# Allegro board pc051b_toplevel_177.brd (continued)
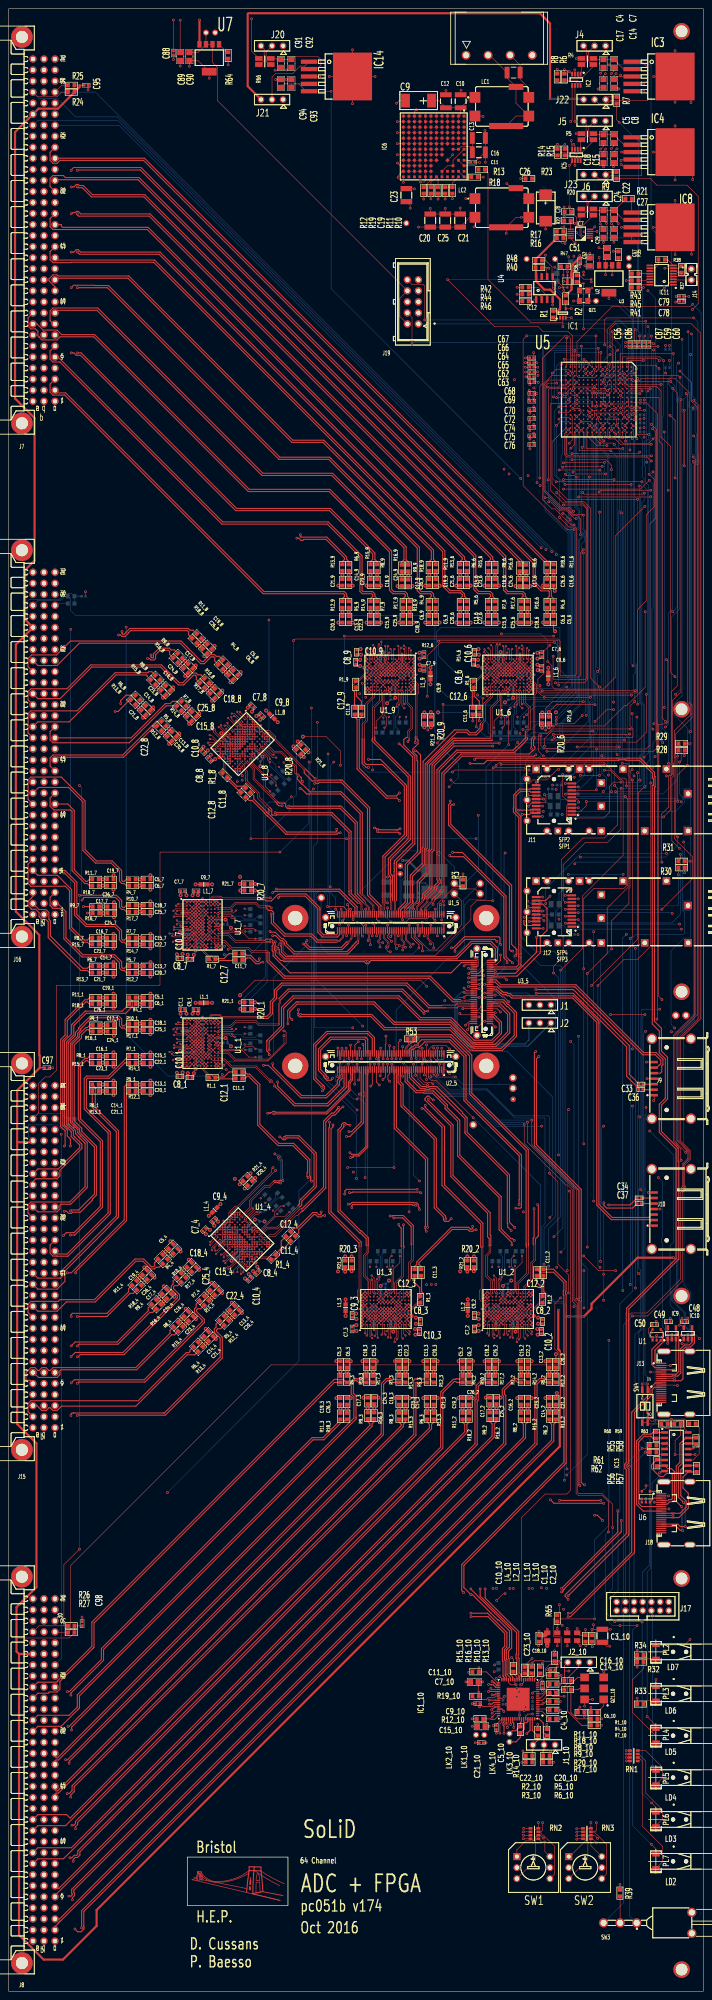
[diagram p0: board, top side]
## Routing (per net, layer and track width the routed paths; a pad name or vN(x,y) marks a point on that pad's centre or on a via; arc(x,y) is an arc through that point) (continued)
OUT_P<3>: length 70.3
  TOP w0.13: 119,289.95 119.8,290.75 119.8,295.26 118.62,296.44 118.62,296.83 118.6,296.85 U1_6.C10 ; U1_5.24 94.75,248.71 94.87,248.83 94.87,249.27 96.3,250.7 96.3,251.4 96.3,251.77 96.27,251.8 96.27,251.85
  TOP w0.25: 96.27,251.85 98.03,253.61 98.03,253.97 98.16,254.1 98.16,254.49 98.88,255.21 98.88,255.52 98.65,255.75 98.65,261.56 98.66,261.57 98.66,262.03 98.65,262.04 98.65,281.06 103.19,285.59 116.19,285.59 116.93,286.33 117.03,286.33 119,288.3 119,289.95
OUT_P<4>: length 69.1
  TOP w0.13: 95.14,251.42 95.14,251.33 95.2,251.27 95.2,250.86 94.34,250 94.3,250 93.87,249.57 93.87,248.83 93.75,248.71 U1_5.28 ; U1_6.J7 v2(113.4,301.35)
  TOP w0.25: 95.14,251.42 95.29,251.57 95.29,251.74 95.35,251.8 95.35,252.39 96.78,253.82 96.78,253.88 96.78,253.96 96.99,254.18 96.99,262.34 97.5,262.84 97.5,282.16 102.39,287.05 102.39,287.09 102.5,287.2 v1(113,287.2)
  L3 w0.13: v2(113.4,301.35) 113.84,300.9 113.84,300.37 113.58,300.11 113.49,300.11 112.78,299.39 112.78,287.95
  L3 w0.25: 112.78,287.95 112.78,287.42 v1(113,287.2)
OUT_P<5>: length 65.4
  TOP w0.13: 94.21,250.32 94.17,250.32 94.13,250.35 93.91,250.35 93.74,250.19 93.08,249.53 93.04,249.53 92.75,249.24 92.75,249.2 92.63,249.08 92.63,248.83 92.75,248.71 U1_5.32 ; 111.37,287.92 111.37,295.32 113,296.95 U1_6.K10
  TOP w0.25: 111.37,287.92 111.29,287.92 111.19,287.83 102.58,287.83 96.9,282.15 96.9,262.78 96.61,262.49 96.61,257.11 94.6,255.1 94.6,250.71 94.21,250.32
OUT_P<6>: length 74.4
  TOP w0.13: U1_5.35 91.75,243.19 91.63,243.07 91.63,242.04 92.71,240.96 v1(93.16,240.96) ; U1_6.L7 v2(112.6,301.35)
  L3 w0.13: v1(93.16,240.96) 92.71,240.96 91.92,241.75 91.92,242.42 93.4,243.9 93.4,247.3 94.5,248.4 94.5,249.4 94.56,249.46 94.56,249.49 ; 110.3,288.15 110.3,295.75 111.6,297.05 111.6,300.35 v2(112.6,301.35)
  L3 w0.25: 94.56,249.49 94.56,249.93 94.62,249.99 94.62,250.92 103.83,260.13 104.12,260.42 104.12,278.01 108.95,282.84 108.95,283 110.3,284.35 110.3,288.15
OUT_P<7>: length 65.2
  TOP w0.13: U1_5.38 91.25,248.84 91.22,248.87 91.22,249.28 91.37,249.43 ; U1_6.M8 111,300.55 111,297.95 109.4,296.35 109.4,292.45 108.7,291.75
  TOP w0.25: 108.7,291.75 108.7,291.53 108.58,291.41 108.58,290.69 107.5,289.6 106.24,289.6 105.59,290.25 102.7,290.25 95.45,283 95.45,263.28 95.24,263.07 95.24,259.54 92.65,256.95 92.65,256.91 92.5,256.76 92.5,250.56 91.37,249.43
OUT_P<8>: length 74.4
  TOP w0.13: U1_9.E8 v2(89.45,300.55) ; U1_5.41 90.25,243.19 90.37,243.07 90.37,241.93 91,241.3 91,241.02 90.61,240.62 90.61,240.22 90.77,240.06 v1(90.77,239.6)
  L3 w0.13: 94.37,288.65 94.37,294.49 91.27,297.59 91.27,298.33 90.31,299.29 90.31,299.69 v2(89.45,300.55) ; 92.5,251.39 93.16,250.73 93.16,250.63 92.24,249.71 92.24,246.71 91.14,245.61 91.14,242.11 90.57,241.53 90.57,240.26 90.77,240.06 v1(90.77,239.6)
  L3 w0.25: 92.5,251.39 88.71,255.18 88.71,259.47 88.96,259.72 88.96,260.18 88.71,260.43 88.71,278.82 94.6,284.71 94.6,287.49 94.31,287.78 94.31,288.59 94.37,288.65
OUT_P<9>: length 56.7
  TOP w0.13: U1_9.A8 93.24,300.95 93.26,300.98 93.37,300.98 93.38,300.98 93.63,300.98 94.05,300.56 94.05,298.85 93.67,298.47 93.67,288.65
  TOP w0.25: U1_5.42 90.25,248.84 91.85,250.44 91.85,259.14 94.7,261.99 94.7,262 94.85,262.15 94.85,284.5 93.9,285.45 v1(93.65,285.45) ; v1(93.65,287.35) 93.65,288.63 93.67,288.65
  L4 w0.25: v1(93.65,285.45) v1(93.65,287.35)
OUT_P<10>: length 71.5
  TOP w0.13: U1_9.D9 90.65,299.91 90.25,299.51 90.25,299.19 90.57,298.87 90.57,295.83 v2(91.15,295.25) ; v1(89.36,239.96) 89.13,240.19 89.13,240.67 88.94,240.86 88.94,243 88.75,243.19 U1_5.47
  L3 w0.13: 91.34,249.16 91.4,249.1 91.4,248.96 89.64,247.2 89.64,246.16 90.4,245.4 90.4,242.47 89.16,241.22 89.16,240.62 89.36,240.41 v1(89.36,239.96) ; v2(91.15,295.25) 91.41,295.25 92.65,294.01 92.65,287.15 91.85,286.35 91.7,286.2 91.7,285.79 91.7,285.79 91.7,285.36 91.67,285.33
  L3 w0.25: 91.67,285.33 87.99,281.65 87.7,281.36 87.7,260.74 87.34,260.39 87.34,259.51 87.7,259.16 87.7,256.74 87.81,256.63 87.81,256.17 87.7,256.06 87.7,254.95 90.65,252 90.65,249.85 90.94,249.56 91.34,249.16
OUT_P<11>: length 56
  TOP w0.13: U1_9.C10 91.45,296.85 91.47,296.83 91.47,296.44 92.65,295.26 92.65,290.75 91.85,289.95 91.85,288.5 ; U1_5.46 89.25,248.71 89.13,248.83 89.13,250.89 89.27,251.03 89.3,251.03 89.35,251.08
  TOP w0.25: 89.35,251.08 89.35,256.7 89.3,256.75 89.3,256.96 89.28,256.98 89.28,257.53 89.35,257.6 89.35,258.5 89.28,258.57 89.28,259.33 89.35,259.4 89.35,259.85 93.55,264.05 93.55,284.23 91,286.78 91,288 91.5,288.5 91.85,288.5
OUT_P<12>: length 67.4
  TOP w0.13: U1_9.J7 v2(86.25,301.35)
  TOP w0.18: v1(88.2,241.6) 87.3,242.5 87.3,242.95 87.48,243.13 87.49,243.13 87.62,243.26 87.62,243.97 U1_5.51
  L3 w0.13: 89.52,249.79 89.52,249.76 89.46,249.7 89.46,249.09 89.07,248.7 89.07,242.41 88.79,242.13 88.7,242.13 88.55,242.1 v1(88.2,241.6) ; 85.63,287.95 85.63,299.39 86.34,300.11 86.43,300.11 86.69,300.37 86.69,300.9 v2(86.25,301.35)
  L3 w0.25: 85.63,287.95 85.8,287.78 85.8,284.75 87.3,283.25 87.3,260.88 86.96,260.54 86.96,259.36 87.3,259.02 87.3,257.01 87.25,256.96 87.02,256.96 86.69,256.63 86.69,256.17 87.02,255.84 87.25,255.84 87.3,255.79 87.3,254.51 89.58,252.23 89.58,250.29 89.52,250.23 89.52,249.79
OUT_P<13>: length 57.9
  TOP w0.13: U1_9.K10 85.85,296.95 84.22,295.32 84.22,288.65 ; U1_5.50 88.25,250.85 88.42,251.02
  TOP w0.25: 88.42,251.02 88.42,256.59 88.31,256.71 88.31,256.84 87.95,257.19 87.95,260.45 92.51,265.01 92.51,279.62 84.22,287.92 84.34,288.04 84.34,288.53 84.22,288.65
OUT_P<14>: length 74.5
  TOP w0.13: U1_5.57 86.25,243.19 86.37,243.07 86.37,242.26 87.34,241.29 87.34,241.04 86.76,240.45 86.76,240.04 87.31,239.49 87.31,239.33 87.44,239.2 v1(87.9,239.2) ; U1_9.L7 v2(85.45,301.35)
  L3 w0.13: v2(85.45,301.35) 84.45,300.35 84.45,297.05 83.03,295.63 83.03,289.45 ; 87.64,251.84 87.66,251.81 87.66,251.73 88.49,250.9 88.49,247.62 86.75,245.89 86.75,242.11 88.03,240.83 88.03,239.89 87.94,239.79 87.75,239.68 87.75,239.43 v1(87.9,239.2)
  L3 w0.25: 87.64,251.84 86.35,253.12 86.35,255.27 85.81,255.81 85.81,256.99 86.35,257.53 86.35,258.73 86.09,258.99 86.09,260.91 86.35,261.17 86.35,281.7 83.15,284.9 83.15,288.67 83.27,288.79 83.27,289.21 83.03,289.45
OUT_P<15>: length 66.4
  TOP w0.13: 86.69,250.49 86.69,250.29 86.55,250.15 86.55,248.91 86.75,248.71 U1_5.56 ; 81.4,288.3 81.4,291.6 82.25,292.45 82.25,296.35 83.85,297.95 83.85,300.55 U1_9.M8
  TOP w0.25: 81.4,288.3 81.4,282.55 82.35,281.6 v1(82.85,281.6) ; v1(82.85,283.45) 85.65,283.45 91.34,277.76 91.64,277.46 91.64,265.94 86.69,260.99 86.69,250.49
  L3 w0.25: v1(82.85,283.45) v1(82.85,281.6)
OUT_P<16>: length 68.7
  TOP w0.13: v1(85.54,240.3) 85.54,240.86 85.01,241.39 85.01,241.79 85.37,242.16 85.37,243.07 85.25,243.19 U1_5.61 ; U1_8.E8 v2(56.68,286.43)
  L3 w0.13: v2(56.68,286.43) 57.89,286.43 58.18,286.15 59.54,286.15 60.06,285.63 64.44,285.63 68.57,281.5 ; v1(85.54,240.3) 85.54,245.64 85.8,245.9 85.8,246.73 85.22,247.32 85.04,247.49 85.04,249.1 84.98,249.16 84.98,249.19
  L3 w0.25: 68.57,281.5 68.57,281.43 69.5,280.5 71.2,280.5 72,279.7 72,266.8 84.92,253.88 84.92,253.02 84.92,252.6 84.97,252.55 85.6,251.92 85.6,251.01 84.92,250.33 84.92,249.69 84.98,249.63 84.98,249.19
OUT_P<17>: length 58.1
  TOP w0.13: 68.08,281 61.13,287.95 61.13,288.49 59.92,289.7 59.33,289.7 59.15,289.52 59.15,289.51 59.07,289.43 59.07,289.4 U1_8.A8
  TOP w0.25: 68.08,281 68.08,280.33 69.9,278.51 71.21,278.51 71.4,278.7 76.39,278.7 76.81,278.7 83.15,272.36 83.15,252.4 85.75,249.8 U1_5.60
OUT_P<18>: length 57.5
  TOP w0.13: v2(61.63,283.89) 60.81,283.89 58.66,286.04 58.21,286.04 57.98,286.27 57.98,286.83 U1_8.D9
  TOP w0.18: U1_5.65 84.25,245.35 v1(83.8,245.8)
  L3 w0.13: 83.96,250.42 83.96,250.37 83.52,249.93 83.65,246.79 84.48,245.95 84.48,245.7 84.37,245.58 84.17,245.58 83.98,245.79 v1(83.8,245.8) ; v2(61.63,283.89) 61.81,284.07 63.56,284.07 67.71,279.93 67.71,279.89 68.1,279.5
  L3 w0.25: 83.96,250.42 83.96,253.29 68.85,268.4 68.85,278.7 68.1,279.45 68.1,279.5
OUT_P<19>: length 55.3
  TOP w0.13: U1_5.66 84.25,248.71 84.13,248.83 84.13,249.87 81.45,252.55 ; 66.68,279.6 66.68,279.78 66.58,279.88 66.32,279.88 65.87,280.33 65.87,281.77 62.68,284.96 61.01,284.96 60.74,285.23 60.71,285.23 U1_8.C10
  TOP w0.25: 81.45,252.55 81.45,271.16 76.61,276 69.4,276 67.61,277.79 67.47,277.79 67.14,278.12 67.14,278.26 66.5,278.9 66.5,279.42 66.68,279.6
OUT_P<20>: length 59.6
  TOP w0.13: U1_5.71 82.75,243.19 82.87,243.07 82.87,242.47 82.77,242.37 v1(82.77,241.77) ; U1_8.J7 v2(53.85,284.74)
  L3 w0.13: 63.13,274.43 63.1,274.45 63.09,274.45 62.89,274.65 62.89,274.82 54.8,282.91 54.8,283.92 54.86,283.99 54.86,284.36 54.48,284.74 v2(53.85,284.74) ; v1(82.77,241.77) 82.8,241.8 82.8,242.8 83.1,243.1 83.1,250.01 82.92,250.19 82.92,250.75 83.14,250.97 83.17,250.97 83.22,251.02
  L3 w0.25: 63.13,274.43 63.8,273.76 64.94,273.76 65.56,273.14 65.56,270.95 83.22,253.29 83.22,251.02
OUT_P<21>: length 54.8
  TOP w0.13: U1_5.72 82.75,248.71 82.87,248.83 82.87,248.85 82.87,249.3 81.66,250.51 81.64,250.51 ; 61.91,273.8 56.68,279.03 56.68,281.34 U1_8.K10
  TOP w0.25: 81.64,250.51 79.8,252.35 79.8,268.75 76.35,272.2 64.79,272.2 64.73,272.14 64.27,272.14 64.21,272.2 64.2,272.2 63.8,272.6 63.8,273.2 63.6,273.4 62.31,273.4 61.91,273.8
OUT_P<22>: length 55.9
  TOP w0.13: U1_8.L7 v2(53.28,284.17)
  TOP w0.18: U1_5.77 81.25,243.05 v1(81.5,242.8)
  L3 w0.13: 60.99,273.21 55.62,278.59 55.62,280.42 53.28,282.76 v2(53.28,284.17) ; 80.84,247.75 80.86,247.73 80.86,247.64 81.63,246.87 81.63,244.62 81.35,244.34 81.24,244.34 81.07,244.28 81.07,243.92 v1(81.5,242.8)
  L3 w0.25: 60.99,273.21 61.1,273.1 61.7,273.1 80.1,254.7 80.1,248.57 80.52,248.15 80.52,248.06 80.84,247.75
OUT_P<23>: length 55.8
  TOP w0.13: 80.81,250.65 80.9,250.56 81.02,250.56 81.02,250.55 81.02,250.54 81.39,250.18 81.39,248.96 81.52,248.83 81.63,248.83 81.75,248.71 U1_5.76 ; U1_8.M8 52.72,282.47 54.56,280.64 54.56,278.37 57.31,275.62 57.31,274.54 59.77,272.09
  TOP w0.25: v1(61.4,271.2) 61.48,271.2 74.5,271.2 78.87,266.83 78.87,253.26 78.89,253.24 78.89,252.57 80.81,250.65 ; v1(60,271.5) 60.1,271.6 60.1,271.74 59.77,272.07 59.77,272.09
  L3 w0.25: v1(61.4,271.2) 61.1,271.5 v1(60,271.5)
OUT_P<24>: length 38.9
  TOP w0.13: U1_7.E8 v2(47.05,247)
  TOP w0.25: v1(60.82,252.82) 60.97,252.82 61.26,253.1 61.37,253.1 61.4,253.07 61.86,253.07 61.89,253.1 76,253.1 79.75,249.35 U1_5.84
  L3 w0.13: 59.1,251.95 59.07,251.92 53.11,251.92 50.01,248.82 49.27,248.82 48.31,247.86 47.91,247.86 v2(47.05,247)
  L3 w0.25: 59.1,251.95 59.16,251.95 60.03,252.82 v1(60.82,252.82)
OUT_P<25>: length 38.8
  TOP w0.13: 58.95,251.22 49.13,251.22 48.75,251.6 47.04,251.6 46.62,251.18 46.62,250.93 46.62,250.92 46.62,250.81 46.65,250.79 U1_7.A8
  TOP w0.25: 58.95,251.22 59.27,250.9 60.5,250.9 62,252.4 62.19,252.4 62.29,252.5 68.5,252.5 71.7,249.3 71.7,248.89 71.7,243.9 72.5,243.1 75.5,243.1 75.75,243.35 U1_5.99
OUT_P<26>: length 47.9
  TOP w0.13: U1_5.87 78.75,243.19 78.87,243.07 78.87,242.47 78.67,242.27 78.67,242.07 78.12,241.52 78.12,241.5 78.07,241.45 77.95,241.45 77.92,241.48 77.87,241.48 ; v2(52.35,248.7) 51.77,248.12 48.73,248.12 48.41,247.81 48.09,247.81 47.69,248.2 U1_7.D9
  TOP w0.25: v1(68.71,241.81) 68.43,241.53 68.43,241.18 69.41,240.2 76.59,240.2 77.73,241.34 77.87,241.48
  L3 w0.13: v2(52.35,248.7) 52.35,248.96 53.59,250.2 58.83,250.2 58.95,250.08
  L3 w0.25: 58.95,250.08 59.33,250.08 59.45,250.2 59.66,250.2 59.78,250.08 62.79,250.08 63.41,250.7 67.9,250.7 71.28,247.32 71.28,244.68 68.77,242.17 68.77,241.86 68.72,241.81 v1(68.71,241.81)
OUT_P<27>: length 35.9
  TOP w0.13: 59.3,249.3 57.75,249.3 56.85,250.2 52.34,250.2 51.16,249.02 50.77,249.02 50.75,249 U1_7.C10 ; U1_5.95 76.75,243.19 76.87,243.07 76.87,242.57 76.4,242.1 76.39,242.1 76.38,242.09 76.38,242.08 76.12,241.82 75.65,241.82 75.63,241.84 75.63,241.87 75.6,241.9
  TOP w0.25: 59.3,249.3 59.9,248.7 60.6,248.7 61,248.3 61,248.16 61.03,248.13 61.03,247.67 61,247.64 61,246 63.7,243.3 69.8,243.3 71.2,241.9 75.6,241.9
OUT_P<28>: length 41.5
  TOP w0.13: U1_7.J7 v2(46.25,243.8) ; U1_5.81 80.25,243.19 80.42,243.01 80.42,241.91 80.38,241.86 80.04,241.57 80.01,241.54
  TOP w0.25: v1(60.2,243.9) 60.4,243.7 61.41,243.7 62.89,242.22 63.25,242.22 64.02,241.45 64.02,241.09 65.89,239.22 77.9,239.22 79.15,240.47 79.15,240.55 80.01,241.41 80.01,241.54
  L3 w0.13: 60.2,243.73 59.65,243.18 48.21,243.18 47.49,243.89 47.49,243.98 47.23,244.25 46.7,244.25 v2(46.25,243.8)
  L3 w0.25: 60.2,243.73 v1(60.2,243.9)
OUT_P<29>: length 66.1
  TOP w0.13: U1_7.K10 50.65,243.4 52.28,241.77 58.95,241.77
  TOP w0.25: U3_5.4 104.26,236.7 101.91,234.35 64.8,234.35 60.9,238.25 60.9,239.24 60.68,239.45 60.68,240.55 60.9,240.76 60.9,241.21 60.84,241.27 60.84,241.76 60.51,242.1 59.28,242.1 58.95,241.77
OUT_P<30>: length 76.9
  TOP w0.13: U1_7.L7 v2(46.25,243)
  TOP w0.25: U3_5.3 110.9,236.75 111.85,236.75 111.85,236.76 112.01,236.76 112.6,237.35 112.6,240.1 111.1,241.6 106.55,241.6 103.03,238.08 63.88,238.08 62.82,239.15 62.82,240.34 62.7,240.45 v1(62.7,240.9)
  L3 w0.13: 59.45,240.7 51.85,240.7 50.55,242 47.25,242 v2(46.25,243)
  L3 w0.25: 59.45,240.7 59.51,240.76 59.92,240.76 60.06,240.9 v1(62.7,240.9)
OUT_P<31>: length 67.7
  TOP w0.13: 104.1,227.7 104.16,227.64 105.01,227.64 105.2,227.82 106.12,227.82 106.24,227.7 U3_5.40 ; 59.5,239.05 59.45,239.1 55.85,239.1 55.15,239.8 51.25,239.8 49.65,241.4 47.05,241.4 U1_7.M8
  TOP w0.25: 59.5,239.05 59.5,236.99 63.39,233.1 96.89,233.1 102.29,227.7 104.1,227.7
OUT_P<32>: length 88.4
  TOP w0.13: U1_1.E8 v2(47.05,219.75)
  TOP w0.25: U3_5.39 111.8,227.7 111.85,227.64 113.86,227.64 114.14,227.36 114.14,227.24 114.79,226.59 114.91,226.59 116.45,225.05 116.45,219.95 113.5,217 107.11,217 107.03,217.08 106.47,217.08 101.8,221.75 86.65,221.75 83.62,224.78 83.21,224.78 67.22,224.78 v1(67.2,224.8)
  L3 w0.13: v1(67.2,224.8) 67.11,224.71 61.53,224.71 61.49,224.67 53.11,224.67 50.01,221.57 49.27,221.57 48.31,220.61 47.91,220.61 v2(47.05,219.75)
OUT_P<33>: length 70
  TOP w0.13: 58.3,223.97 49.13,223.97 48.55,224.55 46.75,224.55 46.62,224.42 46.62,223.38 U1_1.A8
  TOP w0.18: 100.6,226.3 103.3,226.3 103.7,226.7 U3_5.44
  TOP w0.25: 58.3,223.97 58.62,223.97 58.74,223.85 59.7,223.85 60.75,224.9 60.75,227.49 61.72,228.46 61.72,230.16 63.06,231.5 91.54,231.5 96.74,226.3 100.6,226.3
OUT_P<34>: length 87
  TOP w0.13: v2(52.35,221.45) 51.77,220.87 48.73,220.87 48.41,220.56 48.09,220.56 47.69,220.95 U1_1.D9
  TOP w0.25: U3_5.43 113.01,226.7 114.92,224.79 114.92,220.77 112.03,217.88 107.47,217.88 107.39,217.96 106.83,217.96 101.79,223 88.87,223 84.51,227.36 84.22,227.65 66.66,227.65 66.66,227.65 66.24,227.65 64.25,225.66 64.25,223.89 64.3,223.84 v1(64.3,222.6)
  L3 w0.13: v2(52.35,221.45) 52.35,221.71 53.59,222.95 63.65,222.95 64,222.6 v1(64.3,222.6)
OUT_P<35>: length 75.4
  TOP w0.13: 62.6,228.1 62.6,227.37 62.44,227.21 62.44,222.59 62.35,222.5 62.15,222.3 57.5,222.3 56.85,222.95 52.34,222.95 51.16,221.77 50.77,221.77 50.75,221.75 U1_1.C10
  TOP w0.18: U3_5.49 v1(112.08,225.2)
  TOP w0.25: 62.6,228.1 64.6,230.1 90.54,230.1 v1(95.68,224.96)
  L3 w0.25: v1(95.68,224.96) 95.77,225.05 96.26,225.05 96.3,225.01 96.76,225.01 96.8,225.05 101.75,225.05 102.9,223.9 105.26,223.9 106.5,225.14 109.23,225.14 109.29,225.2 v1(112.08,225.2)
OUT_P<36>: length 88.7
  TOP w0.13: U1_1.J7 v2(46.25,216.55)
  TOP w0.25: v1(60,216.6) 60,218.59 63.35,221.94 63.35,226.19 65.71,228.55 89.69,228.55 94.69,223.55 101.78,223.55 106.99,218.34 107.4,218.34 111.45,218.34 113.5,220.39 113.5,223 112.35,224.14 112.35,224.16 111.82,224.7 111.38,224.7 111.38,224.7 U3_5.51
  L3 w0.13: v1(60,216.6) 60,216.2 59.7,215.9 48.24,215.9 47.49,216.64 47.49,216.73 47.23,217 46.7,217 v2(46.25,216.55)
OUT_P<37>: length 66.2
  TOP w0.13: v1(63.4,219.9) 63.4,218.07 59.83,214.5 52.3,214.5 50.65,216.15 U1_1.K10
  TOP w0.18: v1(105.7,221.3) 106,221.6 106,222.55 106.15,222.7 U3_5.60
  L3 w0.25: v1(63.4,219.9) 63.6,220.1 63.6,220.41 64.08,220.89 64.55,220.89 66.45,222.8 104.09,222.8 104.52,222.37 104.52,222.06 105.28,221.3 v1(105.7,221.3)
OUT_P<38>: length 40.7
  TOP w0.13: U1_1.L7 v2(46.25,215.75)
  TOP w0.18: v1(76.25,213.6) U2_5.97
  TOP w0.25: v1(60.8,213.45) 60.8,212.8 67.5,206.1 72.99,206.1 75.7,208.81 75.7,209.65 76.31,210.26 76.31,210.72 76.25,210.78 U2_5.97
  L3 w0.13: v2(46.25,215.75) 47.25,214.75 50.55,214.75 51.85,213.45 58.38,213.45 58.49,213.57 59.21,213.57 59.32,213.45 v1(60.8,213.45)
OUT_P<39>: length 41
  TOP w0.13: U1_1.M8 47.05,214.15 49.65,214.15 51.25,212.55 56.85,212.55 60.1,209.3 v1(60.25,209.3)
  TOP w0.25: v1(61.95,209.25) 61.95,208.31 66.01,204.25 73.35,204.25 77.25,208.15 U2_5.93
  L3 w0.25: v1(61.95,209.25) 60.3,209.25 v1(60.25,209.3)
OUT_P<40>: length 54.6
  TOP w0.13: U1_4.E8 v2(54.37,175.83)
  TOP w0.25: U2_5.85 79.25,211.11 79.19,211.05 79.19,209.67 78.62,209.1 78.62,207.25 73.28,201.9 v1(61.05,201.9)
  L3 w0.13: v2(54.37,175.83) 54.37,177.04 54.65,177.33 54.65,178.69 55.17,179.21 55.17,183.59 59.23,187.65 59.25,187.74 59.5,187.88 60.36,188.74 60.36,193.31 60.42,193.37 60.42,193.78 60.45,193.81 60.45,193.86
  L3 w0.25: 60.45,193.86 60.15,194.16 60.15,201 v1(61.05,201.9)
OUT_P<41>: length 56.7
  TOP w0.13: U1_4.A8 51.4,178.22 51.37,178.22 51.29,178.3 51.28,178.3 51.1,178.48 51.1,179.07 52.31,180.28 52.85,180.28 61.47,188.9 v1(61.5,188.9)
  TOP w0.18: U2_5.88 78.75,217.69 v1(78.74,217.7)
  L3 w0.25: v1(61.5,188.9) 61.42,188.98 61.42,189.11 66.15,193.84 66.15,204.45 71.7,210 71.7,215.38 72.26,215.94 72.26,216.56 73.4,217.7 78.66,217.7 78.67,217.71 78.73,217.71 v1(78.74,217.7)
OUT_P<42>: length 48.3
  TOP w0.13: U1_4.D9 53.97,177.13 54.53,177.13 54.76,177.36 54.76,177.81 56.91,179.96 v2(56.91,180.78)
  TOP w0.18: U2_5.83 79.75,208.77 v1(79.7,208.72)
  L3 w0.13: v2(56.91,180.78) 56.73,180.96 56.73,182.71 60.87,186.86
  L3 w0.25: v1(79.7,208.72) 78.1,207.12 78.1,202.81 78.1,202.4 76.1,200.4 76.1,198.81 75.14,197.84 73,197.84 63,187.84 61.85,187.84 60.87,186.86
OUT_P<43>: length 63.6
  TOP w0.13: U1_4.C10 55.57,179.86 55.57,179.89 55.84,180.16 55.84,181.83 59.03,185.02 60.16,185.02 61.3,186.15
  TOP w0.18: U2_5.82 v1(80.25,214.57)
  TOP w0.25: v1(62.61,186.01) 62.11,186.01 62.04,186.08 61.3,186.08 61.3,186.15
  L3 w0.25: v1(80.25,214.57) 80.25,216.75 80.19,216.8 80.19,217.27 80.25,217.32 80.25,217.75 79.13,218.87 72.32,218.87 70.72,217.27 70.72,210.49 64.95,204.72 64.95,195 62.13,192.18 v1(62.13,191.87)
  BOTTOM w0.25: v1(62.61,186.01) 62.58,186.05 62.58,186.76 62.69,186.87 62.69,191.05 62.42,191.31 62.18,191.31 62.13,191.36 v1(62.13,191.87)
OUT_P<44>: length 54.3
  TOP w0.13: U1_4.J7 v2(56.06,173)
  TOP w0.25: U2_5.75 81.75,211.16 81.69,211.1 81.69,207 81.81,206.88 81.81,206 81.69,205.88 81.69,199.81 78.58,196.7 v1(77.8,196.7)
  L3 w0.13: 65.98,182.04 57.89,173.95 56.88,173.95 56.81,174.01 56.44,174.01 56.06,173.63 v2(56.06,173)
  L3 w0.25: v1(77.8,196.7) 75.08,196.7 75.02,196.64 73.44,196.64 65.98,189.18 65.98,182.04
OUT_P<45>: length 80.5
  TOP w0.13: 66.62,180.86 66.62,180.69 61.77,175.83 59.46,175.83 U1_4.K10
  TOP w0.18: v1(81.25,214.57) U2_5.78
  TOP w0.25: v1(62.45,196.6) 62.56,196.6 63.22,195.94 63.68,195.94 64.1,196.36 66.66,196.36 70.34,192.68 70.34,185.32 67.29,182.27 67,181.98 67,181.1 66.87,181.1 66.62,180.86
  L3 w0.25: v1(62.45,196.6) 62.45,204.2 62.96,204.71 63.01,204.71 63.52,205.23 63.52,205.56 67,209.04 67,209.42 69.21,211.62 69.21,214.28 68.71,214.78 68.71,217.4 68.71,217.4 68.71,217.81 71.44,220.55 80.46,220.55 80.71,220.3 80.8,220.3 82.16,218.94 82.16,217.33 81.25,216.42 v1(81.25,214.57)
OUT_P<46>: length 58.8
  TOP w0.13: U1_4.L7 v2(56.63,172.43)
  TOP w0.25: U2_5.71 82.75,211.15 82.69,211.09 82.69,194.23 80.67,192.21 79.36,192.21 79.31,192.16 79.31,191.9 79.26,191.85 v1(78.75,191.85)
  L3 w0.13: v2(56.63,172.43) 58.04,172.43 60.38,174.77 62.07,174.77 67.41,180.11
  L3 w0.25: 67.41,180.11 67.6,180.3 67.45,180.45 67.45,188.55 70.69,191.79 78.72,191.79 78.75,191.82 v1(78.75,191.85)
OUT_P<47>: length 74.6
  TOP w0.13: 67.25,179.2 66.55,178.5 66.2,178.5 61.41,173.71 60.16,173.71 58.33,171.87 U1_4.M8
  TOP w0.25: 67.25,179.2 67.55,179.5 67.61,179.5 67.7,179.59 67.8,179.59 73.03,184.82 73.03,200.01 74.6,201.59 75.08,201.59 76.11,202.62 76.11,202.72 76.89,203.5 v1(77,203.5) ; U2_5.72 82.75,216.45 82.69,216.51 82.69,219.06 82.44,219.31 82.39,219.31 82.15,219.56 74.1,219.56 73.81,219.26 71.35,216.81 71.35,211.87 72.61,210.62 72.61,210.39 72.94,210.05 72.94,209.97 73.27,209.64 74.27,209.64 74.6,209.97 v1(74.6,210.1)
  L3 w0.25: v1(77,203.5) 76.69,203.5 75.68,204.51 75.68,208.02 75.37,208.33 75.37,208.34 74.6,209.11 v1(74.6,210.1)
OUT_P<48>: length 59.4
  TOP w0.13: U1_3.E8 v2(85.3,159.4)
  TOP w0.18: v1(84.25,213.33) U2_5.65
  L3 w0.13: v2(85.3,159.4) 84.44,160.26 84.44,160.66 83.48,161.62 83.48,162.36 80.38,165.46 80.38,171.3
  L3 w0.25: v1(84.25,213.33) 84.25,211.42 83.96,211.13 83.96,208.07 83.63,207.74 83.55,207.74 82.36,206.55 82.36,206.19 81.35,205.18 81.35,185.95 80.67,185.27 80.67,182.01 80.38,181.72 80.38,171.3
OUT_P<49>: length 84.3
  TOP w0.13: 81.2,171.39 81.15,171.34 81.15,161.55 80.7,161.1 80.7,159.39 81.12,158.97 81.37,158.97 81.38,158.97 81.49,158.97 81.51,159 U1_3.A8
  TOP w0.25: v1(74.7,199.35) 74.7,198.9 74.25,198.45 74.25,179.36 81.2,172.41 81.2,171.39 ; v1(72.16,208.01) 70.25,209.91 70.25,217.44 70.25,217.44 70.25,217.86 73.24,220.85 82.88,220.85 84.25,219.48 U2_5.66
  L3 w0.25: v1(72.16,208.01) 72.4,207.76 72.48,207.76 72.81,207.43 72.81,207.35 72.9,207.26 72.9,206.3 73.1,206.1 73.1,203.53 74.39,202.24 74.39,201.11 74.7,200.8 v1(74.7,199.35)
OUT_P<50>: length 55.2
  TOP w0.13: v2(83.6,164.7) 84.18,164.12 84.18,161.08 84.5,160.76 84.5,160.44 84.1,160.04 U1_3.D9
  TOP w0.18: v1(85.35,208.55) 84.75,209.15 U2_5.63
  L3 w0.13: 82.1,171.8 82.1,165.94 83.34,164.7 v2(83.6,164.7)
  L3 w0.25: v1(85.35,208.55) 85.35,208.05 84.1,206.8 84.1,186.89 82.1,184.89 82.1,171.8
OUT_P<51>: length 65.4
  TOP w0.13: 82.9,171.6 82.9,170 82.1,169.2 82.1,164.69 83.28,163.51 83.28,163.12 83.3,163.1 U1_3.C10
  TOP w0.25: v1(84.74,214.62) 84.75,214.63 U2_5.64 ; 82.9,171.6 82.84,171.6 82.84,173.39 81.24,174.99 81.07,174.99 76.34,179.72 76.34,197.99 77.15,198.8 77.15,199.15 v1(77.3,199.3)
  L3 w0.25: v1(84.74,214.62) 84.35,215.01 84.19,215.01 83.7,215.5 82.36,215.5 82.31,215.45 82.31,214.9 81.81,214.39 81.81,209.57 80.31,208.08 80.17,208.08 78.65,206.56 78.65,200.06 78.45,199.86 78.37,199.86 77.81,199.3 v1(77.3,199.3)
OUT_P<52>: length 57.5
  TOP w0.13: U1_3.J7 v2(88.5,158.6)
  TOP w0.18: v1(86.2,209.8) 86.8,210.4 86.8,212.05 U2_5.55
  L3 w0.13: v2(88.5,158.6) 88.06,159.04 88.06,159.58 88.32,159.84 88.41,159.84 89.12,160.56 89.12,172
  L3 w0.25: v1(86.2,209.8) 86.1,209.7 86.1,208.95 86.36,208.69 86.36,207.58 85.64,206.86 85.56,206.86 85.1,206.4 85.1,206.32 84.95,206.17 84.95,176.17 89.12,172
OUT_P<53>: length 109.3
  TOP w0.13: 90.53,171.3 90.53,164.63 88.9,163 U1_3.K10
  TOP w0.18: v1(86.9,219.8) 86.9,218 86.75,217.85 U2_5.56
  TOP w0.25: v1(89.85,176.45) 89.85,176.17 90.41,175.6 90.41,171.42 90.53,171.3
  L3 w0.25: v1(86.9,219.8) 86.9,220.09 88.56,221.75 103.35,221.75 103.92,221.18 104.16,221.18 104.67,220.66 108.54,216.8 113.1,216.8 114.3,215.6 114.3,210.71 105.04,201.45 91.03,201.45 90.78,201.2 90.78,179.94 90.1,179.26 90.1,176.71 v1(89.85,176.45)
OUT_P<54>: length 57.8
  TOP w0.13: U1_3.L7 v2(89.3,158.6)
  TOP w0.18: U2_5.51 87.75,211.15 87.35,210.75 87.35,209.8 v1(87.75,209.4)
  L3 w0.13: v2(89.3,158.6) 90.3,159.6 90.3,162.9 91.6,164.2 91.6,171.73 91.47,171.73
  L3 w0.25: v1(87.75,209.4) 87.72,209.37 87.72,204.62 86.75,203.65 86.75,176.45 91.47,171.73
OUT_P<55>: length 104.6
  TOP w0.13: 93.2,171.8 93.2,168.2 92.5,167.5 92.5,163.6 90.9,162 90.9,159.4 U1_3.M8
  TOP w0.18: v1(87.75,217.6) U2_5.52
  TOP w0.25: v1(87.85,178.4) 88.36,178.4 88.47,178.51 90.89,178.51 93.2,176.2 93.2,171.8
  L3 w0.25: v1(87.85,178.4) 89.4,179.95 89.4,202.2 89.65,202.45 104.6,202.45 106.94,204.79 106.94,210 106.2,210.74 106.2,214.39 106.55,214.74 106.55,217.04 102.94,220.65 89.41,220.65 87.75,218.99 87.75,218.38 87.69,218.32 87.69,217.83 87.75,217.77 v1(87.75,217.6)
OUT_P<56>: length 68.1
  TOP w0.13: U1_2.E8 v2(113.45,159.4)
  TOP w0.25: v1(96.45,175.78) 96.45,175.86 96.5,175.91 96.5,191.61 89.31,198.8 89.31,211.3 89.25,211.36 U2_5.45
  L3 w0.13: v2(113.45,159.4) 112.59,160.26 112.59,160.66 111.63,161.62 111.63,162.36 108.53,165.46 108.53,171.3
  L3 w0.25: 108.53,171.3 108.49,171.34 108.49,171.81 104.52,175.78 v1(96.45,175.78)
OUT_P<57>: length 93.6
  TOP w0.13: 109.23,171.3 109.23,161.48 108.85,161.1 108.85,159.39 109.27,158.97 109.52,158.97 109.53,158.97 109.64,158.97 109.66,159 U1_2.A8
  TOP w0.18: v1(89.25,214.57) U2_5.46
  TOP w0.25: v1(95.95,203.85) 95.95,203.4 100.4,198.95 100.4,185.55 109.23,176.72 109.23,171.3
  L3 w0.25: v1(89.25,214.57) 89.35,214.67 89.35,219 90.1,219.75 102.35,219.75 105.3,216.8 105.3,209.25 99.9,203.85 v1(95.95,203.85)
OUT_P<58>: length 65.4
  TOP w0.13: v2(111.75,164.7) 112.33,164.12 112.33,161.08 112.64,160.76 112.64,160.44 112.25,160.04 U1_2.D9
  TOP w0.25: U2_5.43 89.75,211.03 89.69,210.98 89.69,209.15 90.35,208.49 90.35,203.69 90.64,203.4 98,196.04 98,180.29 100.14,178.14 100.14,177.47 100.47,177.14 101.29,177.14 v1(101.93,177.77)